# KiCad board SparkFun_IoT_RedBoard-RP2350_panelized.kicad_pcb (continued)
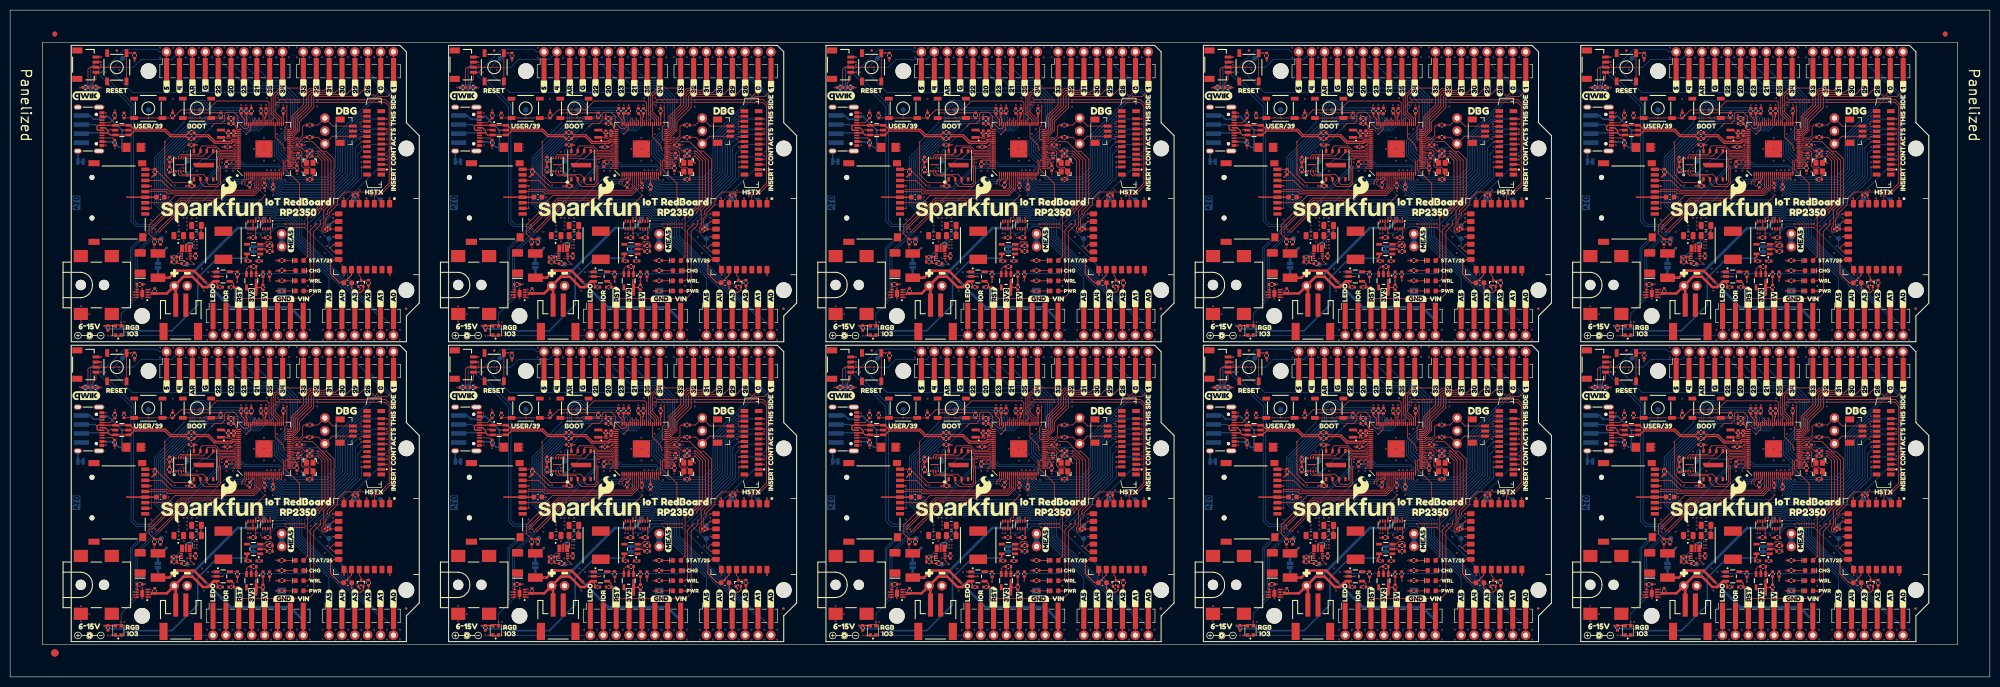
[diagram p0: board, top side]
## Routing (per net, layer and track width the routed paths; a pad name or vN(x,y) marks a point on that pad's centre or on a via; arc(x,y) is an arc through that point) (continued)
Net-(JP6-B): length 11.7
  Top w0.15: R32#6.1 v1(201.14,16.96) ; R32.1 v1(52.42,16.96) ; R32#8.1 v1(349.86,76.08) ; R32#4.1 v1(52.42,76.08) ; R32#3.1 v1(126.78,76.08) ; R32#7.1 v1(349.86,16.96) ; R32#9.1 v1(275.5,16.96) ; R32#10.1 v1(275.5,76.08) ; R32#2.1 v1(201.14,76.08) ; R32#5.1 v1(126.78,16.96)
  Bottom w0.15: v1(201.14,76.08) JP6#7.2 ; v1(201.14,16.96) JP6#9.2 ; v1(126.78,16.96) JP6#4.2 ; v1(275.5,76.08) JP6#8.2 ; v1(52.42,76.08) JP6#2.2 ; v1(275.5,16.96) JP6#6.2 ; v1(52.42,16.96) JP6.2 ; v1(126.78,76.08) JP6#3.2 ; v1(349.86,76.08) JP6#10.2 ; v1(349.86,16.96) JP6#5.2
Net-(U1-ADC_AVDD): length 31.8
  Top w0.2: U1#9.59 344.06,110.18 343.96,110.28 C3#10.2 344.93,111.1 R7#8.1 ; U1#5.59 120.98,110.18 120.88,110.28 C3#5.2 121.85,111.1 R7#2.1 ; U1#8.59 269.7,51.06 269.6,51.16 C3#9.2 270.57,51.98 R7#7.1 ; R7#10.1 344.93,51.98 C3#8.2 343.96,51.16 344.06,51.06 U1#10.59 ; R7#6.1 121.85,51.98 C3#3.2 120.88,51.16 120.98,51.06 U1#4.59 ; R7#3.1 196.21,51.98 C3#2.2 195.24,51.16 195.34,51.06 U1#7.59 ; R7#5.1 196.21,111.1 C3#7.2 195.24,110.28 195.34,110.18 U1#3.59 ; U1.59 46.62,51.06 46.52,51.16 C3.2 47.49,51.98 R7.1 ; R7#4.1 47.49,111.1 C3#4.2 46.52,110.28 46.62,110.18 U1#6.59 ; U1#2.59 269.7,110.18 269.6,110.28 C3#6.2 270.57,111.1 R7#9.1
Net-(U1-SWCLK): length 41.3
  Top w0.15: U1#7.33 204.54,45.96 204.94,46.36 205.74,46.36 206.64,47.26 R11#9.2 ; U1#6.33 55.82,105.08 56.22,105.48 57.02,105.48 57.92,106.38 R11#4.2 ; U1#10.33 353.26,45.96 353.66,46.36 354.46,46.36 355.36,47.26 R11#7.2 ; U1#5.33 130.18,105.08 130.58,105.48 131.38,105.48 132.28,106.38 R11#3.2 ; U1#9.33 353.26,105.08 353.66,105.48 354.46,105.48 355.36,106.38 R11#8.2 ; R11#2.2 132.28,47.26 131.38,46.36 130.58,46.36 130.18,45.96 U1#4.33 ; R11#5.2 206.64,106.38 205.74,105.48 204.94,105.48 204.54,105.08 U1#3.33 ; R11#6.2 281,106.38 280.1,105.48 279.3,105.48 278.9,105.08 U1#2.33 ; U1.33 55.82,45.96 56.22,46.36 57.02,46.36 57.92,47.26 R11.2 ; U1#8.33 278.9,45.96 279.3,46.36 280.1,46.36 281,47.26 R11#10.2
Net-(U1-SWDIO): length 60.1
  Top w0.15: R12#2.2 132.28,108.78 131.98,108.48 131.98,106.68 131.18,105.88 130.38,105.88 129.98,105.48 U1#5.34 ; U1.34 55.62,46.36 56.02,46.76 56.82,46.76 57.62,47.56 57.62,49.36 57.92,49.66 R12.2 ; U1#3.34 204.34,105.48 204.74,105.88 205.54,105.88 206.34,106.68 206.34,108.48 206.64,108.78 R12#4.2 ; R12#9.2 57.92,108.78 57.62,108.48 57.62,106.68 56.82,105.88 56.02,105.88 55.62,105.48 U1#6.34 ; R12#6.2 355.36,49.66 355.06,49.36 355.06,47.56 354.26,46.76 353.46,46.76 353.06,46.36 U1#10.34 ; R12#10.2 206.64,49.66 206.34,49.36 206.34,47.56 205.54,46.76 204.74,46.76 204.34,46.36 U1#7.34 ; R12#7.2 132.28,49.66 131.98,49.36 131.98,47.56 131.18,46.76 130.38,46.76 129.98,46.36 U1#4.34 ; R12#5.2 281,108.78 280.7,108.48 280.7,106.68 279.9,105.88 279.1,105.88 278.7,105.48 U1#2.34 ; R12#3.2 281,49.66 280.7,49.36 280.7,47.56 279.9,46.76 279.1,46.76 278.7,46.36 U1#8.34 ; R12#8.2 355.36,108.78 355.06,108.48 355.06,106.68 354.26,105.88 353.46,105.88 353.06,105.48 U1#9.34
Net-(U1-VREG_AVDD): length 28.6
  Top w0.2: R8#9.1 341.47,49.99 C5#6.2 341.96,49.44 341.96,49.06 342.26,48.76 U1#10.61 ; R8#8.1 267.11,49.99 C5#5.2 267.6,49.44 267.6,49.06 267.9,48.76 U1#8.61 ; R8#4.1 267.11,109.11 C5#10.2 267.6,108.56 267.6,108.18 267.9,107.88 U1#2.61 ; R8#3.1 118.39,109.11 C5#3.2 118.88,108.56 118.88,108.18 119.18,107.88 U1#5.61 ; R8#7.1 192.75,109.11 C5#9.2 193.24,108.56 193.24,108.18 193.54,107.88 U1#3.61 ; U1#6.61 44.82,107.88 44.52,108.18 44.52,108.56 C5#2.2 44.03,109.11 R8#6.1 ; U1#9.61 342.26,107.88 341.96,108.18 341.96,108.56 C5#8.2 341.47,109.11 R8#10.1 ; R8.1 44.03,49.99 C5.2 44.52,49.44 44.52,49.06 44.82,48.76 U1.61 ; R8#2.1 192.75,49.99 C5#7.2 193.24,49.44 193.24,49.06 193.54,48.76 U1#7.61 ; U1#4.61 119.18,48.76 118.88,49.06 118.88,49.44 C5#4.2 118.39,49.99 R8#5.1
Net-(U1-VREG_LX): length 39
  Top w0.15: U1#8.63 267.6,47.96 267.5,48.06 265.7,48.06 265.07,48.68 L1#7.2 ; L1#8.2 339.44,107.8 340.06,107.18 341.86,107.18 341.96,107.08 U1#9.63 ; U1#7.63 193.24,47.96 193.14,48.06 191.34,48.06 190.71,48.68 L1#3.2 ; U1#6.63 44.52,107.08 44.42,107.18 42.62,107.18 41.99,107.8 L1#4.2 ; L1#9.2 190.71,107.8 191.34,107.18 193.14,107.18 193.24,107.08 U1#3.63 ; U1#2.63 267.6,107.08 267.5,107.18 265.7,107.18 265.07,107.8 L1#10.2 ; U1#5.63 118.88,107.08 118.78,107.18 116.98,107.18 116.36,107.8 L1#5.2 ; U1#4.63 118.88,47.96 118.78,48.06 116.98,48.06 116.36,48.68 L1#2.2 ; U1#10.63 341.96,47.96 341.86,48.06 340.06,48.06 339.44,48.68 L1#6.2 ; U1.63 44.52,47.96 44.42,48.06 42.62,48.06 41.99,48.68 L1.2
Net-(U1-XIN): length 98.5
  Top w0.15: U1#8.30 280.2,44.76 280.55,44.41 280.55,41.61 280.8,41.36 282.02,41.36 282.75,40.63 Y1#7.1 282.75,39.81 282.58,39.64 C7#4.1 ; U1#7.30 205.84,44.76 206.19,44.41 206.19,41.61 206.44,41.36 207.66,41.36 208.39,40.63 Y1#5.1 208.39,39.81 208.22,39.64 C7.1 ; U1#9.30 354.56,103.88 354.91,103.53 354.91,100.73 355.16,100.48 356.38,100.48 357.11,99.75 Y1#9.1 357.11,98.93 356.94,98.76 C7#9.1 ; C7#8.1 282.58,98.76 282.75,98.93 Y1#2.1 282.75,99.75 282.02,100.48 280.8,100.48 280.55,100.73 280.55,103.53 280.2,103.88 U1#2.30 ; U1#10.30 354.56,44.76 354.91,44.41 354.91,41.61 355.16,41.36 356.38,41.36 357.11,40.63 Y1#10.1 357.11,39.81 356.94,39.64 C7#7.1 ; U1.30 57.12,44.76 57.47,44.41 57.47,41.61 57.72,41.36 58.95,41.36 59.67,40.63 Y1.1 59.67,39.81 59.5,39.64 C7#10.1 ; U1#6.30 57.12,103.88 57.47,103.53 57.47,100.73 57.72,100.48 58.95,100.48 59.67,99.75 Y1#8.1 59.67,98.93 59.5,98.76 C7#2.1 ; C7#3.1 133.86,98.76 134.03,98.93 Y1#4.1 134.03,99.75 133.31,100.48 132.08,100.48 131.83,100.73 131.83,103.53 131.48,103.88 U1#5.30 ; C7#6.1 208.22,98.76 208.39,98.93 Y1#6.1 208.39,99.75 207.66,100.48 206.44,100.48 206.19,100.73 206.19,103.53 205.84,103.88 U1#3.30 ; U1#4.30 131.48,44.76 131.83,44.41 131.83,41.61 132.08,41.36 133.31,41.36 134.03,40.63 Y1#3.1 134.03,39.81 133.86,39.64 C7#5.1
Net-(U1-XOUT): length 38.4
  Top w0.15: R10#3.2 132.38,44.56 131.78,45.16 U1#4.31 ; U1#9.31 354.86,104.28 355.46,103.68 R10#4.2 ; R10#2.2 132.38,103.68 131.78,104.28 U1#5.31 ; U1#7.31 206.14,45.16 206.74,44.56 R10#5.2 ; U1#3.31 206.14,104.28 206.74,103.68 R10#9.2 ; U1#10.31 354.86,45.16 355.46,44.56 R10#10.2 ; U1#6.31 57.42,104.28 58.02,103.68 R10#6.2 ; R10#8.2 281.1,103.68 280.5,104.28 U1#2.31 ; U1.31 57.42,45.16 58.02,44.56 R10.2 ; U1#8.31 280.5,45.16 281.1,44.56 R10#7.2
Net-(U2-IRQ): length 16.9
  Top w0.15: U2#4.B3 R14#9.1 ; U2#5.B3 R14#5.1 ; U2#7.B3 R14#2.1 ; U2#3.B3 R14#7.1 ; U2#9.B3 R14#8.1 ; U2.B3 R14#10.1 ; U2#6.B3 R14.1 ; U2#2.B3 R14#3.1 ; U2#10.B3 R14#6.1 ; U2#8.B3 R14#4.1
Net-(U2-POCI): length 18
  Top w0.15: U2.A6 67.27,35.11 67.51,35.35 R13.1 ; U2#7.A6 141.63,94.23 141.87,94.47 R13#6.1 ; U2#10.A6 364.71,35.11 364.95,35.35 R13#9.1 ; R13#5.1 67.51,94.47 67.27,94.23 U2#6.A6 ; R13#3.1 290.59,35.35 290.35,35.11 U2#9.A6 ; U2#3.A6 215.99,35.11 216.23,35.35 R13#8.1 ; R13#7.1 290.59,94.47 290.35,94.23 U2#4.A6 ; U2#8.A6 215.99,94.23 216.23,94.47 R13#4.1 ; U2#5.A6 364.71,94.23 364.95,94.47 R13#2.1 ; R13#10.1 141.87,35.35 141.63,35.11 U2#2.A6
Net-(U2-VDDBAT): length 106.6
  Top w0.2: U2#3.B7 212.54,23.16 211.84,22.46 211.84,20.36 213.64,18.56 L2#8.2 215.99,20.08 U2#3.C2 216.04,21.11 ; U2#8.B7 212.54,82.28 211.84,81.58 211.84,79.48 213.64,77.68 L2#5.2 215.99,79.2 U2#8.C2 216.04,80.23 ; U2.B7 63.82,23.16 63.12,22.46 63.12,20.36 64.92,18.56 L2.2 67.27,20.08 U2.C2 67.32,21.11 ; 364.76,21.11 U2#10.C2 364.71,20.08 L2#3.2 362.36,18.56 360.56,20.36 360.56,22.46 361.26,23.16 U2#10.B7 ; U2#9.B7 286.9,23.16 286.2,22.46 286.2,20.36 288,18.56 L2#2.2 290.35,20.08 U2#9.C2 290.4,21.11 ; 290.4,80.23 U2#4.C2 290.35,79.2 L2#9.2 288,77.68 286.2,79.48 286.2,81.58 286.9,82.28 U2#4.B7 ; U2#7.B7 138.18,82.28 137.48,81.58 137.48,79.48 139.28,77.68 L2#6.2 141.63,79.2 U2#7.C2 141.68,80.23 ; 67.32,80.23 U2#6.C2 67.27,79.2 L2#7.2 64.92,77.68 63.12,79.48 63.12,81.58 63.82,82.28 U2#6.B7 ; 364.76,80.23 U2#5.C2 364.71,79.2 L2#10.2 362.36,77.68 360.56,79.48 360.56,81.58 361.26,82.28 U2#5.B7 ; 141.68,21.11 U2#2.C2 141.63,20.08 L2#4.2 139.28,18.56 137.48,20.36 137.48,22.46 138.18,23.16 U2#2.B7
Net-(U5-BST): length 12.4
  Top w0.15: C22#10.1 333.5,23.83 332.91,23.83 ; C22#5.1 36.07,82.95 U5#3.6 ; C22#7.1 184.78,23.83 184.19,23.83 ; C22#4.1 110.42,23.83 109.83,23.83 ; C22#3.1 259.14,23.83 258.55,23.83 ; 35.47,23.83 36.07,23.83 C22.1 ; C22#6.1 184.78,82.95 U5#7.6 ; C22#9.1 333.5,82.95 U5#6.6 ; C22#8.1 259.14,82.95 U5#10.6 ; U5#8.6 110.42,82.95 C22#2.1
Net-(U5-FB): length 31.6
  Top w0.15: 33.77,23.83 33.39,23.83 33.22,23.66 C23.2 32.83,23.63 R19.1 33.13,22.36 R20#10.2 ; 331.21,23.83 330.83,23.83 330.66,23.66 C23#2.2 330.27,23.63 R19#9.1 330.57,22.36 R20#7.2 ; R20#6.2 107.49,81.48 R19#5.1 107.19,82.75 C23#8.2 107.58,82.78 107.76,82.95 U5#8.3 ; R20#8.2 256.21,81.48 R19#6.1 255.91,82.75 C23#5.2 256.3,82.78 256.47,82.95 U5#10.3 ; R20#4.2 256.21,22.36 R19#8.1 255.91,23.63 C23#3.2 256.3,23.66 256.47,23.83 256.85,23.83 ; U5#6.3 330.83,82.95 330.66,82.78 C23#4.2 330.27,82.75 R19#10.1 330.57,81.48 R20#3.2 ; U5#3.3 33.39,82.95 33.22,82.78 C23#9.2 32.83,82.75 R19#4.1 33.13,81.48 R20.2 ; R20#5.2 181.85,81.48 R19#7.1 181.55,82.75 C23#6.2 181.94,82.78 182.12,82.95 U5#7.3 ; R20#2.2 107.49,22.36 R19#3.1 107.19,23.63 C23#10.2 107.58,23.66 107.76,23.83 108.13,23.83 ; 182.49,23.83 182.12,23.83 181.94,23.66 C23#7.2 181.55,23.63 R19#2.1 181.85,22.36 R20#9.2
Net-(U5-PG): length 28.9
  Top w0.15: U5#3.5 35.47,82.11 v1(36.26,81.32) ; v1(333.7,81.32) 332.91,82.11 U5#6.5 ; v1(333.7,22.2) 332.91,22.99 U5#5.5 ; U5#7.5 184.19,82.11 v1(184.98,81.32) ; v1(110.62,22.2) 109.83,22.99 U5#2.5 ; v1(110.62,81.32) 109.83,82.11 U5#8.5 ; v1(259.34,81.32) 258.55,82.11 U5#10.5 ; U5.5 35.47,22.99 v1(36.26,22.2) ; v1(184.98,22.2) 184.19,22.99 U5#4.5 ; v1(259.34,22.2) 258.55,22.99 U5#9.5
  Bottom w0.15: v1(333.7,22.2) TP8#9.1 ; v1(184.98,81.32) TP8#8.1 ; v1(259.34,22.2) TP8#6.1 ; v1(184.98,22.2) TP8#5.1 ; v1(36.26,81.32) TP8#3.1 ; v1(110.62,22.2) TP8#4.1 ; v1(110.62,81.32) TP8#7.1 ; v1(259.34,81.32) TP8#2.1 ; v1(333.7,81.32) TP8#10.1 ; v1(36.26,22.2) TP8.1
Net-(U9-PROG): length 15
  Top w0.15: U9#5.5 119.12,20.76 R27#3.2 ; U9.5 44.76,20.76 R27.2 ; U9#6.5 119.12,79.88 R27#7.2 ; U9#8.5 267.84,79.88 R27#2.2 ; R27#10.2 342.2,20.76 U9#2.5 ; R27#5.2 193.48,79.88 U9#4.5 ; U9#7.5 193.48,20.76 R27#4.2 ; R27#9.2 342.2,79.88 U9#10.5 ; R27#8.2 267.84,20.76 U9#9.5 ; R27#6.2 44.76,79.88 U9#3.5
Net-(U11-EN): length 21.3
  Top w0.15: R26#4.2 47.02,80.88 46.57,80.43 U11#6.3 ; U11#9.3 269.65,80.43 270.1,80.88 R26#9.2 ; U11#10.3 344.01,21.31 344.46,21.76 R26#5.2 ; R26.2 47.02,21.76 46.57,21.31 U11.3 ; R26#3.2 270.1,21.76 269.65,21.31 U11#3.3 ; U11#7.3 120.93,21.31 121.38,21.76 R26#2.2 ; U11#4.3 344.01,80.43 344.46,80.88 R26#10.2 ; U11#5.3 120.93,80.43 121.38,80.88 R26#6.2 ; U11#2.3 195.29,80.43 195.74,80.88 R26#8.2 ; U11#8.3 195.29,21.31 195.74,21.76 R26#7.2

## Copper pours and planes (outline as drawn; the poured copper is in the pictures)
1.1V on Top: 116.58,47.51 116.73,47.51 116.98,47.76 117.53,47.76 117.68,47.61 117.68,47.36 117.88,47.11 117.68,46.96 116.58,46.96
1.1V on Top: 42.22,106.63 42.37,106.63 42.62,106.88 43.17,106.88 43.32,106.73 43.32,106.48 43.52,106.23 43.32,106.08 42.22,106.08
1.1V on Top: 265.3,106.63 265.45,106.63 265.7,106.88 266.25,106.88 266.4,106.73 266.4,106.48 266.6,106.23 266.4,106.08 265.3,106.08
1.1V on Top: 190.94,106.63 191.09,106.63 191.34,106.88 191.89,106.88 192.04,106.73 192.04,106.48 192.24,106.23 192.04,106.08 190.94,106.08
1.1V on Top: 190.94,47.51 191.09,47.51 191.34,47.76 191.89,47.76 192.04,47.61 192.04,47.36 192.24,47.11 192.04,46.96 190.94,46.96
1.1V on Top: 116.58,106.63 116.73,106.63 116.98,106.88 117.53,106.88 117.68,106.73 117.68,106.48 117.88,106.23 117.68,106.08 116.58,106.08
1.1V on Top: 339.66,106.63 339.81,106.63 340.06,106.88 340.61,106.88 340.76,106.73 340.76,106.48 340.96,106.23 340.76,106.08 339.66,106.08
1.1V on Top: 339.66,47.51 339.81,47.51 340.06,47.76 340.61,47.76 340.76,47.61 340.76,47.36 340.96,47.11 340.76,46.96 339.66,46.96
1.1V on Top: 265.3,47.51 265.45,47.51 265.7,47.76 266.25,47.76 266.4,47.61 266.4,47.36 266.6,47.11 266.4,46.96 265.3,46.96
1.1V on Top: 42.22,47.51 42.37,47.51 42.62,47.76 43.17,47.76 43.32,47.61 43.32,47.36 43.52,47.11 43.32,46.96 42.22,46.96
3.3V on In1.Cu: 160.75,6.95 226.79,6.95 226.79,12.03 229.33,14.57 229.33,47.59 226.79,50.13 226.79,64.1 225.52,65.37 160.75,65.37
3.3V on In1.Cu: 86.39,6.95 152.43,6.95 152.43,12.03 154.97,14.57 154.97,47.59 152.43,50.13 152.43,64.1 151.16,65.37 86.39,65.37
3.3V on In1.Cu: 12.03,66.07 78.07,66.07 78.07,71.15 80.61,73.69 80.61,106.71 78.07,109.25 78.07,123.22 76.8,124.49 12.03,124.49
3.3V on In1.Cu: 309.47,6.95 375.51,6.95 375.51,12.03 378.05,14.57 378.05,47.59 375.51,50.13 375.51,64.1 374.24,65.37 309.47,65.37
3.3V on In1.Cu: 160.75,66.07 226.79,66.07 226.79,71.15 229.33,73.69 229.33,106.71 226.79,109.25 226.79,123.22 225.52,124.49 160.75,124.49
3.3V on In1.Cu: 12.03,6.95 78.07,6.95 78.07,12.03 80.61,14.57 80.61,47.59 78.07,50.13 78.07,64.1 76.8,65.37 12.03,65.37
3.3V on In1.Cu: 235.11,66.07 301.15,66.07 301.15,71.15 303.69,73.69 303.69,106.71 301.15,109.25 301.15,123.22 299.88,124.49 235.11,124.49
3.3V on In1.Cu: 309.47,66.07 375.51,66.07 375.51,71.15 378.05,73.69 378.05,106.71 375.51,109.25 375.51,123.22 374.24,124.49 309.47,124.49
3.3V on In1.Cu: 86.39,66.07 152.43,66.07 152.43,71.15 154.97,73.69 154.97,106.71 152.43,109.25 152.43,123.22 151.16,124.49 86.39,124.49
3.3V on In1.Cu: 235.11,6.95 301.15,6.95 301.15,12.03 303.69,14.57 303.69,47.59 301.15,50.13 301.15,64.1 299.88,65.37 235.11,65.37
5V on Top: 345.16,29.21 345.16,30.71 345.46,30.71 345.46,30.36 345.61,30.21 347.61,30.21 347.86,29.96 347.86,29.21 347.56,29.21 347.56,29.51 347.36,29.71 345.66,29.71 345.46,29.51 345.46,29.21
5V on Top: 270.8,29.21 270.8,30.71 271.1,30.71 271.1,30.36 271.25,30.21 273.25,30.21 273.5,29.96 273.5,29.21 273.2,29.21 273.2,29.51 273,29.71 271.3,29.71 271.1,29.51 271.1,29.21
5V on Top: 122.08,88.33 122.08,89.83 122.38,89.83 122.38,89.48 122.53,89.33 124.53,89.33 124.78,89.08 124.78,88.33 124.48,88.33 124.48,88.63 124.28,88.83 122.58,88.83 122.38,88.63 122.38,88.33
5V on Top: 345.16,88.33 345.16,89.83 345.46,89.83 345.46,89.48 345.61,89.33 347.61,89.33 347.86,89.08 347.86,88.33 347.56,88.33 347.56,88.63 347.36,88.83 345.66,88.83 345.46,88.63 345.46,88.33
5V on Top: 47.72,88.33 47.72,89.83 48.02,89.83 48.02,89.48 48.17,89.33 50.17,89.33 50.42,89.08 50.42,88.33 50.12,88.33 50.12,88.63 49.92,88.83 48.22,88.83 48.02,88.63 48.02,88.33
5V on Top: 122.08,29.21 122.08,30.71 122.38,30.71 122.38,30.36 122.53,30.21 124.53,30.21 124.78,29.96 124.78,29.21 124.48,29.21 124.48,29.51 124.28,29.71 122.58,29.71 122.38,29.51 122.38,29.21
5V on Top: 270.8,88.33 270.8,89.83 271.1,89.83 271.1,89.48 271.25,89.33 273.25,89.33 273.5,89.08 273.5,88.33 273.2,88.33 273.2,88.63 273,88.83 271.3,88.83 271.1,88.63 271.1,88.33
5V on Top: 47.72,29.21 47.72,30.71 48.02,30.71 48.02,30.36 48.17,30.21 50.17,30.21 50.42,29.96 50.42,29.21 50.12,29.21 50.12,29.51 49.92,29.71 48.22,29.71 48.02,29.51 48.02,29.21
5V on Top: 196.44,29.21 196.44,30.71 196.74,30.71 196.74,30.36 196.89,30.21 198.89,30.21 199.14,29.96 199.14,29.21 198.84,29.21 198.84,29.51 198.64,29.71 196.94,29.71 196.74,29.51 196.74,29.21
5V on Top: 196.44,88.33 196.44,89.83 196.74,89.83 196.74,89.48 196.89,89.33 198.89,89.33 199.14,89.08 199.14,88.33 198.84,88.33 198.84,88.63 198.64,88.83 196.94,88.83 196.74,88.63 196.74,88.33
GND on Top, Bottom, In2.Cu: 309.47,6.95 375.51,6.95 375.51,12.03 378.05,14.57 378.05,47.59 375.51,50.13 375.51,64.1 374.24,65.37 309.47,65.37
GND on Top, Bottom, In2.Cu: 235.11,6.95 301.15,6.95 301.15,12.03 303.69,14.57 303.69,47.59 301.15,50.13 301.15,64.1 299.88,65.37 235.11,65.37
GND on Top, Bottom, In2.Cu: 12.03,6.95 78.07,6.95 78.07,12.03 80.61,14.57 80.61,47.59 78.07,50.13 78.07,64.1 76.8,65.37 12.03,65.37
GND on Top, Bottom, In2.Cu: 86.39,66.07 152.43,66.07 152.43,71.15 154.97,73.69 154.97,106.71 152.43,109.25 152.43,123.22 151.16,124.49 86.39,124.49
GND on Top, Bottom, In2.Cu: 160.75,66.07 226.79,66.07 226.79,71.15 229.33,73.69 229.33,106.71 226.79,109.25 226.79,123.22 225.52,124.49 160.75,124.49
GND on Top, Bottom, In2.Cu: 86.39,6.95 152.43,6.95 152.43,12.03 154.97,14.57 154.97,47.59 152.43,50.13 152.43,64.1 151.16,65.37 86.39,65.37
GND on Top, Bottom, In2.Cu: 12.03,66.07 78.07,66.07 78.07,71.15 80.61,73.69 80.61,106.71 78.07,109.25 78.07,123.22 76.8,124.49 12.03,124.49
GND on Top, Bottom, In2.Cu: 235.11,66.07 301.15,66.07 301.15,71.15 303.69,73.69 303.69,106.71 301.15,109.25 301.15,123.22 299.88,124.49 235.11,124.49
GND on Top, Bottom, In2.Cu: 309.47,66.07 375.51,66.07 375.51,71.15 378.05,73.69 378.05,106.71 375.51,109.25 375.51,123.22 374.24,124.49 309.47,124.49
GND on Top, Bottom, In2.Cu: 160.75,6.95 226.79,6.95 226.79,12.03 229.33,14.57 229.33,47.59 226.79,50.13 226.79,64.1 225.52,65.37 160.75,65.37
VBUS on Top: 51.22,79.58 49.57,79.58 48.77,78.78 48.17,78.78 48.17,80.13 48.22,80.18 48.22,81.03 48.37,81.18 48.72,81.18 49.27,81.73 49.27,82.48 48.67,83.08 48.67,83.63 49.87,83.63 50.12,83.38 52.07,83.38 52.42,83.73 52.42,84.88 52.67,85.13 53.22,85.13 53.82,84.53 53.82,83.93 51.42,81.53 51.42,79.78
VBUS on Top: 274.3,79.58 272.65,79.58 271.85,78.78 271.25,78.78 271.25,80.13 271.3,80.18 271.3,81.03 271.45,81.18 271.8,81.18 272.35,81.73 272.35,82.48 271.75,83.08 271.75,83.63 272.95,83.63 273.2,83.38 275.15,83.38 275.5,83.73 275.5,84.88 275.75,85.13 276.3,85.13 276.9,84.53 276.9,83.93 274.5,81.53 274.5,79.78
VBUS on Top: 274.3,20.46 272.65,20.46 271.85,19.66 271.25,19.66 271.25,21.01 271.3,21.06 271.3,21.91 271.45,22.06 271.8,22.06 272.35,22.61 272.35,23.36 271.75,23.96 271.75,24.51 272.95,24.51 273.2,24.26 275.15,24.26 275.5,24.61 275.5,25.76 275.75,26.01 276.3,26.01 276.9,25.41 276.9,24.81 274.5,22.41 274.5,20.66
VBUS on Top: 125.58,79.58 123.93,79.58 123.13,78.78 122.53,78.78 122.53,80.13 122.58,80.18 122.58,81.03 122.73,81.18 123.08,81.18 123.63,81.73 123.63,82.48 123.03,83.08 123.03,83.63 124.23,83.63 124.48,83.38 126.43,83.38 126.78,83.73 126.78,84.88 127.03,85.13 127.58,85.13 128.18,84.53 128.18,83.93 125.78,81.53 125.78,79.78
VBUS on Top: 348.66,20.46 347.01,20.46 346.21,19.66 345.61,19.66 345.61,21.01 345.66,21.06 345.66,21.91 345.81,22.06 346.16,22.06 346.71,22.61 346.71,23.36 346.11,23.96 346.11,24.51 347.31,24.51 347.56,24.26 349.51,24.26 349.86,24.61 349.86,25.76 350.11,26.01 350.66,26.01 351.26,25.41 351.26,24.81 348.86,22.41 348.86,20.66
VBUS on Top: 348.66,79.58 347.01,79.58 346.21,78.78 345.61,78.78 345.61,80.13 345.66,80.18 345.66,81.03 345.81,81.18 346.16,81.18 346.71,81.73 346.71,82.48 346.11,83.08 346.11,83.63 347.31,83.63 347.56,83.38 349.51,83.38 349.86,83.73 349.86,84.88 350.11,85.13 350.66,85.13 351.26,84.53 351.26,83.93 348.86,81.53 348.86,79.78
VBUS on Top: 51.22,20.46 49.57,20.46 48.77,19.66 48.17,19.66 48.17,21.01 48.22,21.06 48.22,21.91 48.37,22.06 48.72,22.06 49.27,22.61 49.27,23.36 48.67,23.96 48.67,24.51 49.87,24.51 50.12,24.26 52.07,24.26 52.42,24.61 52.42,25.76 52.67,26.01 53.22,26.01 53.82,25.41 53.82,24.81 51.42,22.41 51.42,20.66
VBUS on Top: 125.58,20.46 123.93,20.46 123.13,19.66 122.53,19.66 122.53,21.01 122.58,21.06 122.58,21.91 122.73,22.06 123.08,22.06 123.63,22.61 123.63,23.36 123.03,23.96 123.03,24.51 124.23,24.51 124.48,24.26 126.43,24.26 126.78,24.61 126.78,25.76 127.03,26.01 127.58,26.01 128.18,25.41 128.18,24.81 125.78,22.41 125.78,20.66
VBUS on Top: 199.94,79.58 198.29,79.58 197.49,78.78 196.89,78.78 196.89,80.13 196.94,80.18 196.94,81.03 197.09,81.18 197.44,81.18 197.99,81.73 197.99,82.48 197.39,83.08 197.39,83.63 198.59,83.63 198.84,83.38 200.79,83.38 201.14,83.73 201.14,84.88 201.39,85.13 201.94,85.13 202.54,84.53 202.54,83.93 200.14,81.53 200.14,79.78
VBUS on Top: 199.94,20.46 198.29,20.46 197.49,19.66 196.89,19.66 196.89,21.01 196.94,21.06 196.94,21.91 197.09,22.06 197.44,22.06 197.99,22.61 197.99,23.36 197.39,23.96 197.39,24.51 198.59,24.51 198.84,24.26 200.79,24.26 201.14,24.61 201.14,25.76 201.39,26.01 201.94,26.01 202.54,25.41 202.54,24.81 200.14,22.41 200.14,20.66
VDD on Top: 37.17,30.36 37.42,30.61 43.52,30.61 44.52,31.61 47.52,31.61 47.62,31.51 47.62,31.21 47.52,31.11 47.52,30.46 47.22,30.46 47.22,30.96 47.07,31.11 46.37,31.11 44.67,29.35 44.67,28.71 43.77,27.81 38.72,27.81 38.02,27.11 37.32,27.11 37.17,27.26
VDD on Top: 37.17,89.48 37.42,89.73 43.52,89.73 44.52,90.73 47.52,90.73 47.62,90.63 47.62,90.33 47.52,90.23 47.52,89.58 47.22,89.58 47.22,90.08 47.07,90.23 46.37,90.23 44.67,88.47 44.67,87.83 43.77,86.93 38.72,86.93 38.02,86.23 37.32,86.23 37.17,86.38
VDD on Top: 185.89,89.48 186.14,89.73 192.24,89.73 193.24,90.73 196.24,90.73 196.34,90.63 196.34,90.33 196.24,90.23 196.24,89.58 195.94,89.58 195.94,90.08 195.79,90.23 195.09,90.23 193.39,88.47 193.39,87.83 192.49,86.93 187.44,86.93 186.74,86.23 186.04,86.23 185.89,86.38
VDD on Top: 185.89,30.36 186.14,30.61 192.24,30.61 193.24,31.61 196.24,31.61 196.34,31.51 196.34,31.21 196.24,31.11 196.24,30.46 195.94,30.46 195.94,30.96 195.79,31.11 195.09,31.11 193.39,29.35 193.39,28.71 192.49,27.81 187.44,27.81 186.74,27.11 186.04,27.11 185.89,27.26
VDD on Top: 260.25,89.48 260.5,89.73 266.6,89.73 267.6,90.73 270.6,90.73 270.7,90.63 270.7,90.33 270.6,90.23 270.6,89.58 270.3,89.58 270.3,90.08 270.15,90.23 269.45,90.23 267.75,88.47 267.75,87.83 266.85,86.93 261.8,86.93 261.1,86.23 260.4,86.23 260.25,86.38
VDD on Top: 334.61,89.48 334.86,89.73 340.96,89.73 341.96,90.73 344.96,90.73 345.06,90.63 345.06,90.33 344.96,90.23 344.96,89.58 344.66,89.58 344.66,90.08 344.51,90.23 343.81,90.23 342.11,88.47 342.11,87.83 341.21,86.93 336.16,86.93 335.46,86.23 334.76,86.23 334.61,86.38
VDD on Top: 111.53,30.36 111.78,30.61 117.88,30.61 118.88,31.61 121.88,31.61 121.98,31.51 121.98,31.21 121.88,31.11 121.88,30.46 121.58,30.46 121.58,30.96 121.43,31.11 120.73,31.11 119.03,29.35 119.03,28.71 118.13,27.81 113.08,27.81 112.38,27.11 111.68,27.11 111.53,27.26
VDD on Top: 260.25,30.36 260.5,30.61 266.6,30.61 267.6,31.61 270.6,31.61 270.7,31.51 270.7,31.21 270.6,31.11 270.6,30.46 270.3,30.46 270.3,30.96 270.15,31.11 269.45,31.11 267.75,29.35 267.75,28.71 266.85,27.81 261.8,27.81 261.1,27.11 260.4,27.11 260.25,27.26
VDD on Top: 111.53,89.48 111.78,89.73 117.88,89.73 118.88,90.73 121.88,90.73 121.98,90.63 121.98,90.33 121.88,90.23 121.88,89.58 121.58,89.58 121.58,90.08 121.43,90.23 120.73,90.23 119.03,88.47 119.03,87.83 118.13,86.93 113.08,86.93 112.38,86.23 111.68,86.23 111.53,86.38
VDD on Top: 334.61,30.36 334.86,30.61 340.96,30.61 341.96,31.61 344.96,31.61 345.06,31.51 345.06,31.21 344.96,31.11 344.96,30.46 344.66,30.46 344.66,30.96 344.51,31.11 343.81,31.11 342.11,29.35 342.11,28.71 341.21,27.81 336.16,27.81 335.46,27.11 334.76,27.11 334.61,27.26
VIN on Top: 250.75,20.41 252.35,20.41 252.35,18.76 250.75,18.76 249.8,19.71 248.6,19.71 248.6,21.21 249.95,21.21
VIN on Top: 250.75,79.53 252.35,79.53 252.35,77.88 250.75,77.88 249.8,78.83 248.6,78.83 248.6,80.33 249.95,80.33
VIN on Top: 176.39,79.53 177.99,79.53 177.99,77.88 176.39,77.88 175.44,78.83 174.24,78.83 174.24,80.33 175.59,80.33
VIN on Top: 325.11,79.53 326.71,79.53 326.71,77.88 325.11,77.88 324.16,78.83 322.96,78.83 322.96,80.33 324.31,80.33
VIN on Top: 176.39,20.41 177.99,20.41 177.99,18.76 176.39,18.76 175.44,19.71 174.24,19.71 174.24,21.21 175.59,21.21
VIN on Top: 27.67,20.41 29.27,20.41 29.27,18.76 27.67,18.76 26.72,19.71 25.52,19.71 25.52,21.21 26.87,21.21
VIN on Top: 102.03,79.53 103.63,79.53 103.63,77.88 102.03,77.88 101.08,78.83 99.88,78.83 99.88,80.33 101.23,80.33
VIN on Top: 102.03,20.41 103.63,20.41 103.63,18.76 102.03,18.76 101.08,19.71 99.88,19.71 99.88,21.21 101.23,21.21
VIN on Top: 27.67,79.53 29.27,79.53 29.27,77.88 27.67,77.88 26.72,78.83 25.52,78.83 25.52,80.33 26.87,80.33
VIN on Top: 325.11,20.41 326.71,20.41 326.71,18.76 325.11,18.76 324.16,19.71 322.96,19.71 322.96,21.21 324.31,21.21
VRAW on Top: 257.35,26.11 256.6,26.11 255.85,26.86 255.85,28.31 255.65,28.51 254.95,28.51 253.15,26.46 252.5,26.46 252.35,26.31 252.35,25.76 251.8,25.21 250.75,25.21 250.75,23.51 253.65,23.51 254.3,24.16 256.5,24.16 256.55,24.11 257.15,24.11 257.35,24.31
VRAW on Top: 182.99,85.23 182.24,85.23 181.49,85.98 181.49,87.43 181.29,87.63 180.59,87.63 178.79,85.58 178.14,85.58 177.99,85.43 177.99,84.88 177.44,84.33 176.39,84.33 176.39,82.63 179.29,82.63 179.94,83.28 182.14,83.28 182.19,83.23 182.79,83.23 182.99,83.43
VRAW on Top: 331.71,26.11 330.96,26.11 330.21,26.86 330.21,28.31 330.01,28.51 329.31,28.51 327.51,26.46 326.86,26.46 326.71,26.31 326.71,25.76 326.16,25.21 325.11,25.21 325.11,23.51 328.01,23.51 328.66,24.16 330.86,24.16 330.91,24.11 331.51,24.11 331.71,24.31
VRAW on Top: 34.27,85.23 33.52,85.23 32.77,85.98 32.77,87.43 32.57,87.63 31.87,87.63 30.07,85.58 29.42,85.58 29.27,85.43 29.27,84.88 28.72,84.33 27.67,84.33 27.67,82.63 30.57,82.63 31.22,83.28 33.42,83.28 33.47,83.23 34.07,83.23 34.27,83.43
VRAW on Top: 108.63,85.23 107.88,85.23 107.13,85.98 107.13,87.43 106.93,87.63 106.23,87.63 104.43,85.58 103.78,85.58 103.63,85.43 103.63,84.88 103.08,84.33 102.03,84.33 102.03,82.63 104.93,82.63 105.58,83.28 107.78,83.28 107.83,83.23 108.43,83.23 108.63,83.43
VRAW on Top: 182.99,26.11 182.24,26.11 181.49,26.86 181.49,28.31 181.29,28.51 180.59,28.51 178.79,26.46 178.14,26.46 177.99,26.31 177.99,25.76 177.44,25.21 176.39,25.21 176.39,23.51 179.29,23.51 179.94,24.16 182.14,24.16 182.19,24.11 182.79,24.11 182.99,24.31
VRAW on Top: 108.63,26.11 107.88,26.11 107.13,26.86 107.13,28.31 106.93,28.51 106.23,28.51 104.43,26.46 103.78,26.46 103.63,26.31 103.63,25.76 103.08,25.21 102.03,25.21 102.03,23.51 104.93,23.51 105.58,24.16 107.78,24.16 107.83,24.11 108.43,24.11 108.63,24.31
VRAW on Top: 34.27,26.11 33.52,26.11 32.77,26.86 32.77,28.31 32.57,28.51 31.87,28.51 30.07,26.46 29.42,26.46 29.27,26.31 29.27,25.76 28.72,25.21 27.67,25.21 27.67,23.51 30.57,23.51 31.22,24.16 33.42,24.16 33.47,24.11 34.07,24.11 34.27,24.31
VRAW on Top: 257.35,85.23 256.6,85.23 255.85,85.98 255.85,87.43 255.65,87.63 254.95,87.63 253.15,85.58 252.5,85.58 252.35,85.43 252.35,84.88 251.8,84.33 250.75,84.33 250.75,82.63 253.65,82.63 254.3,83.28 256.5,83.28 256.55,83.23 257.15,83.23 257.35,83.43
VRAW on Top: 331.71,85.23 330.96,85.23 330.21,85.98 330.21,87.43 330.01,87.63 329.31,87.63 327.51,85.58 326.86,85.58 326.71,85.43 326.71,84.88 326.16,84.33 325.11,84.33 325.11,82.63 328.01,82.63 328.66,83.28 330.86,83.28 330.91,83.23 331.51,83.23 331.71,83.43
VUSB on Top: 248.85,46.16 249.7,46.16 249.9,45.96 249.9,44.56 249.7,44.36 248.85,44.36
VUSB on Top: 270.3,29.21 270.6,29.21 270.6,28.51 270.65,28.41 270.65,28.21 270.55,28.11 269.8,28.11 269.7,28.21 269.7,28.41 269.8,28.51 270.1,28.51 270.3,28.71
VUSB on Top: 195.94,88.33 196.24,88.33 196.24,87.63 196.29,87.53 196.29,87.33 196.19,87.23 195.44,87.23 195.34,87.33 195.34,87.53 195.44,87.63 195.74,87.63 195.94,87.83
VUSB on Top: 25.77,105.28 26.62,105.28 26.82,105.08 26.82,103.68 26.62,103.48 25.77,103.48
VUSB on Top: 270.3,88.33 270.6,88.33 270.6,87.63 270.65,87.53 270.65,87.33 270.55,87.23 269.8,87.23 269.7,87.33 269.7,87.53 269.8,87.63 270.1,87.63 270.3,87.83
VUSB on Top: 47.22,29.21 47.52,29.21 47.52,28.51 47.57,28.41 47.57,28.21 47.47,28.11 46.72,28.11 46.62,28.21 46.62,28.41 46.72,28.51 47.02,28.51 47.22,28.71
VUSB on Top: 195.94,29.21 196.24,29.21 196.24,28.51 196.29,28.41 196.29,28.21 196.19,28.11 195.44,28.11 195.34,28.21 195.34,28.41 195.44,28.51 195.74,28.51 195.94,28.71
VUSB on Top: 47.22,88.33 47.52,88.33 47.52,87.63 47.57,87.53 47.57,87.33 47.47,87.23 46.72,87.23 46.62,87.33 46.62,87.53 46.72,87.63 47.02,87.63 47.22,87.83
VUSB on Top: 174.49,105.28 175.34,105.28 175.54,105.08 175.54,103.68 175.34,103.48 174.49,103.48
VUSB on Top: 100.13,46.16 100.98,46.16 101.18,45.96 101.18,44.56 100.98,44.36 100.13,44.36
VUSB on Top: 121.58,88.33 121.88,88.33 121.88,87.63 121.93,87.53 121.93,87.33 121.83,87.23 121.08,87.23 120.98,87.33 120.98,87.53 121.08,87.63 121.38,87.63 121.58,87.83
VUSB on Top: 121.58,29.21 121.88,29.21 121.88,28.51 121.93,28.41 121.93,28.21 121.83,28.11 121.08,28.11 120.98,28.21 120.98,28.41 121.08,28.51 121.38,28.51 121.58,28.71
VUSB on Top: 344.66,88.33 344.96,88.33 344.96,87.63 345.01,87.53 345.01,87.33 344.91,87.23 344.16,87.23 344.06,87.33 344.06,87.53 344.16,87.63 344.46,87.63 344.66,87.83
VUSB on Top: 100.13,105.28 100.98,105.28 101.18,105.08 101.18,103.68 100.98,103.48 100.13,103.48
VUSB on Top: 174.49,46.16 175.34,46.16 175.54,45.96 175.54,44.56 175.34,44.36 174.49,44.36
VUSB on Top: 248.85,105.28 249.7,105.28 249.9,105.08 249.9,103.68 249.7,103.48 248.85,103.48
VUSB on Top: 323.21,46.16 324.06,46.16 324.26,45.96 324.26,44.56 324.06,44.36 323.21,44.36
VUSB on Top: 344.66,29.21 344.96,29.21 344.96,28.51 345.01,28.41 345.01,28.21 344.91,28.11 344.16,28.11 344.06,28.21 344.06,28.41 344.16,28.51 344.46,28.51 344.66,28.71
VUSB on Top: 25.77,46.16 26.62,46.16 26.82,45.96 26.82,44.56 26.62,44.36 25.77,44.36
VUSB on Top: 323.21,105.28 324.06,105.28 324.26,105.08 324.26,103.68 324.06,103.48 323.21,103.48
Net-(D1-PadA) on Top: 25.62,82.83 25.62,84.33 21.57,84.33 21.42,84.18 12.52,84.18 12.52,81.73 23.62,81.73 24.72,82.83
Net-(D1-PadA) on Top: 25.62,23.71 25.62,25.21 21.57,25.21 21.42,25.06 12.52,25.06 12.52,22.61 23.62,22.61 24.72,23.71
Net-(D1-PadA) on Top: 323.06,23.71 323.06,25.21 319.01,25.21 318.86,25.06 309.96,25.06 309.96,22.61 321.06,22.61 322.16,23.71
Net-(D1-PadA) on Top: 248.7,82.83 248.7,84.33 244.65,84.33 244.5,84.18 235.6,84.18 235.6,81.73 246.7,81.73 247.8,82.83
Net-(D1-PadA) on Top: 99.98,23.71 99.98,25.21 95.93,25.21 95.78,25.06 86.88,25.06 86.88,22.61 97.98,22.61 99.08,23.71
Net-(D1-PadA) on Top: 248.7,23.71 248.7,25.21 244.65,25.21 244.5,25.06 235.6,25.06 235.6,22.61 246.7,22.61 247.8,23.71
Net-(D1-PadA) on Top: 323.06,82.83 323.06,84.33 319.01,84.33 318.86,84.18 309.96,84.18 309.96,81.73 321.06,81.73 322.16,82.83
Net-(D1-PadA) on Top: 174.34,82.83 174.34,84.33 170.29,84.33 170.14,84.18 161.24,84.18 161.24,81.73 172.34,81.73 173.44,82.83
Net-(D1-PadA) on Top: 99.98,82.83 99.98,84.33 95.93,84.33 95.78,84.18 86.88,84.18 86.88,81.73 97.98,81.73 99.08,82.83
Net-(D1-PadA) on Top: 174.34,23.71 174.34,25.21 170.29,25.21 170.14,25.06 161.24,25.06 161.24,22.61 172.34,22.61 173.44,23.71
Net-(D2-VCC) on Top: 320.26,46.16 319.46,46.16 319.26,45.96 319.26,44.56 319.46,44.36 320.26,44.36
Net-(D2-VCC) on Top: 245.9,46.16 245.1,46.16 244.9,45.96 244.9,44.56 245.1,44.36 245.9,44.36
Net-(D2-VCC) on Top: 22.82,105.28 22.02,105.28 21.82,105.08 21.82,103.68 22.02,103.48 22.82,103.48
Net-(D2-VCC) on Top: 97.18,105.28 96.38,105.28 96.18,105.08 96.18,103.68 96.38,103.48 97.18,103.48
Net-(D2-VCC) on Top: 245.9,105.28 245.1,105.28 244.9,105.08 244.9,103.68 245.1,103.48 245.9,103.48
Net-(D2-VCC) on Top: 320.26,105.28 319.46,105.28 319.26,105.08 319.26,103.68 319.46,103.48 320.26,103.48
Net-(D2-VCC) on Top: 171.54,105.28 170.74,105.28 170.54,105.08 170.54,103.68 170.74,103.48 171.54,103.48
Net-(D2-VCC) on Top: 22.82,46.16 22.02,46.16 21.82,45.96 21.82,44.56 22.02,44.36 22.82,44.36
Net-(D2-VCC) on Top: 97.18,46.16 96.38,46.16 96.18,45.96 96.18,44.56 96.38,44.36 97.18,44.36
Net-(D2-VCC) on Top: 171.54,46.16 170.74,46.16 170.54,45.96 170.54,44.56 170.74,44.36 171.54,44.36
Net-(JP4-A) on Top: 50.62,30.96 50.62,28.96 50.92,28.96 50.92,29.56 51.07,29.71 51.47,29.71 52.37,28.81 52.37,28.36 52.62,28.11 53.52,28.11 53.52,29.16 53.27,29.41 52.82,29.41 52.02,30.21 51.12,30.21 50.92,30.41 50.92,30.96
Net-(JP4-A) on Top: 199.34,30.96 199.34,28.96 199.64,28.96 199.64,29.56 199.79,29.71 200.19,29.71 201.09,28.81 201.09,28.36 201.34,28.11 202.24,28.11 202.24,29.16 201.99,29.41 201.54,29.41 200.74,30.21 199.84,30.21 199.64,30.41 199.64,30.96
Net-(JP4-A) on Top: 273.7,30.96 273.7,28.96 274,28.96 274,29.56 274.15,29.71 274.55,29.71 275.45,28.81 275.45,28.36 275.7,28.11 276.6,28.11 276.6,29.16 276.35,29.41 275.9,29.41 275.1,30.21 274.2,30.21 274,30.41 274,30.96
Net-(JP4-A) on Top: 199.34,90.08 199.34,88.08 199.64,88.08 199.64,88.68 199.79,88.83 200.19,88.83 201.09,87.93 201.09,87.48 201.34,87.23 202.24,87.23 202.24,88.28 201.99,88.53 201.54,88.53 200.74,89.33 199.84,89.33 199.64,89.53 199.64,90.08
Net-(JP4-A) on Top: 348.06,90.08 348.06,88.08 348.36,88.08 348.36,88.68 348.51,88.83 348.91,88.83 349.81,87.93 349.81,87.48 350.06,87.23 350.96,87.23 350.96,88.28 350.71,88.53 350.26,88.53 349.46,89.33 348.56,89.33 348.36,89.53 348.36,90.08
Net-(JP4-A) on Top: 348.06,30.96 348.06,28.96 348.36,28.96 348.36,29.56 348.51,29.71 348.91,29.71 349.81,28.81 349.81,28.36 350.06,28.11 350.96,28.11 350.96,29.16 350.71,29.41 350.26,29.41 349.46,30.21 348.56,30.21 348.36,30.41 348.36,30.96
Net-(JP4-A) on Top: 124.98,30.96 124.98,28.96 125.28,28.96 125.28,29.56 125.43,29.71 125.83,29.71 126.73,28.81 126.73,28.36 126.98,28.11 127.88,28.11 127.88,29.16 127.63,29.41 127.18,29.41 126.38,30.21 125.48,30.21 125.28,30.41 125.28,30.96
Net-(JP4-A) on Top: 124.98,90.08 124.98,88.08 125.28,88.08 125.28,88.68 125.43,88.83 125.83,88.83 126.73,87.93 126.73,87.48 126.98,87.23 127.88,87.23 127.88,88.28 127.63,88.53 127.18,88.53 126.38,89.33 125.48,89.33 125.28,89.53 125.28,90.08
Net-(JP4-A) on Top: 273.7,90.08 273.7,88.08 274,88.08 274,88.68 274.15,88.83 274.55,88.83 275.45,87.93 275.45,87.48 275.7,87.23 276.6,87.23 276.6,88.28 276.35,88.53 275.9,88.53 275.1,89.33 274.2,89.33 274,89.53 274,90.08
Net-(JP4-A) on Top: 50.62,90.08 50.62,88.08 50.92,88.08 50.92,88.68 51.07,88.83 51.47,88.83 52.37,87.93 52.37,87.48 52.62,87.23 53.52,87.23 53.52,88.28 53.27,88.53 52.82,88.53 52.02,89.33 51.12,89.33 50.92,89.53 50.92,90.08
Net-(U1-VREG_LX) on Top: 194.19,107.18 193.29,107.18 193.19,107.28 191.39,107.28 191.24,107.43 191.24,107.88 191.04,108.08 189.44,108.08 189.44,107.53 190.79,107.53 191.29,107.08 193.09,107.08 193.19,106.98 194.19,106.98
Net-(U1-VREG_LX) on Top: 342.91,107.18 342.01,107.18 341.91,107.28 340.11,107.28 339.96,107.43 339.96,107.88 339.76,108.08 338.16,108.08 338.16,107.53 339.51,107.53 340.01,107.08 341.81,107.08 341.91,106.98 342.91,106.98
Net-(U1-VREG_LX) on Top: 45.47,107.18 44.57,107.18 44.47,107.28 42.67,107.28 42.52,107.43 42.52,107.88 42.32,108.08 40.72,108.08 40.72,107.53 42.07,107.53 42.57,107.08 44.37,107.08 44.47,106.98 45.47,106.98
Net-(U1-VREG_LX) on Top: 119.83,107.18 118.93,107.18 118.83,107.28 117.03,107.28 116.88,107.43 116.88,107.88 116.68,108.08 115.08,108.08 115.08,107.53 116.43,107.53 116.93,107.08 118.73,107.08 118.83,106.98 119.83,106.98
Net-(U1-VREG_LX) on Top: 45.47,48.06 44.57,48.06 44.47,48.16 42.67,48.16 42.52,48.31 42.52,48.76 42.32,48.96 40.72,48.96 40.72,48.41 42.07,48.41 42.57,47.96 44.37,47.96 44.47,47.86 45.47,47.86
Net-(U1-VREG_LX) on Top: 268.55,107.18 267.65,107.18 267.55,107.28 265.75,107.28 265.6,107.43 265.6,107.88 265.4,108.08 263.8,108.08 263.8,107.53 265.15,107.53 265.65,107.08 267.45,107.08 267.55,106.98 268.55,106.98
Net-(U1-VREG_LX) on Top: 342.91,48.06 342.01,48.06 341.91,48.16 340.11,48.16 339.96,48.31 339.96,48.76 339.76,48.96 338.16,48.96 338.16,48.41 339.51,48.41 340.01,47.96 341.81,47.96 341.91,47.86 342.91,47.86
Net-(U1-VREG_LX) on Top: 194.19,48.06 193.29,48.06 193.19,48.16 191.39,48.16 191.24,48.31 191.24,48.76 191.04,48.96 189.44,48.96 189.44,48.41 190.79,48.41 191.29,47.96 193.09,47.96 193.19,47.86 194.19,47.86
Net-(U1-VREG_LX) on Top: 119.83,48.06 118.93,48.06 118.83,48.16 117.03,48.16 116.88,48.31 116.88,48.76 116.68,48.96 115.08,48.96 115.08,48.41 116.43,48.41 116.93,47.96 118.73,47.96 118.83,47.86 119.83,47.86
Net-(U1-VREG_LX) on Top: 268.55,48.06 267.65,48.06 267.55,48.16 265.75,48.16 265.6,48.31 265.6,48.76 265.4,48.96 263.8,48.96 263.8,48.41 265.15,48.41 265.65,47.96 267.45,47.96 267.55,47.86 268.55,47.86
Net-(U5-NC) on Top: 34.42,83.36 34.42,85.43 34.82,85.43 34.82,83.72 34.92,83.58 35.82,83.58 35.97,83.73 39.77,83.73 40.27,83.23 43.77,83.23 43.77,81.38 38.52,81.38 36.67,83.23 34.52,83.23
Net-(U5-NC) on Top: 331.86,83.36 331.86,85.43 332.26,85.43 332.26,83.72 332.36,83.58 333.26,83.58 333.41,83.73 337.21,83.73 337.71,83.23 341.21,83.23 341.21,81.38 335.96,81.38 334.11,83.23 331.96,83.23
Net-(U5-NC) on Top: 34.42,24.24 34.42,26.31 34.82,26.31 34.82,24.6 34.92,24.46 35.82,24.46 35.97,24.61 39.77,24.61 40.27,24.11 43.77,24.11 43.77,22.26 38.52,22.26 36.67,24.11 34.52,24.11
Net-(U5-NC) on Top: 331.86,24.24 331.86,26.31 332.26,26.31 332.26,24.6 332.36,24.46 333.26,24.46 333.41,24.61 337.21,24.61 337.71,24.11 341.21,24.11 341.21,22.26 335.96,22.26 334.11,24.11 331.96,24.11
Net-(U5-NC) on Top: 257.5,24.24 257.5,26.31 257.9,26.31 257.9,24.6 258,24.46 258.9,24.46 259.05,24.61 262.85,24.61 263.35,24.11 266.85,24.11 266.85,22.26 261.6,22.26 259.75,24.11 257.6,24.11
Net-(U5-NC) on Top: 257.5,83.36 257.5,85.43 257.9,85.43 257.9,83.72 258,83.58 258.9,83.58 259.05,83.73 262.85,83.73 263.35,83.23 266.85,83.23 266.85,81.38 261.6,81.38 259.75,83.23 257.6,83.23
Net-(U5-NC) on Top: 108.78,83.36 108.78,85.43 109.18,85.43 109.18,83.72 109.28,83.58 110.18,83.58 110.33,83.73 114.13,83.73 114.63,83.23 118.13,83.23 118.13,81.38 112.88,81.38 111.03,83.23 108.88,83.23
Net-(U5-NC) on Top: 183.14,24.24 183.14,26.31 183.54,26.31 183.54,24.6 183.64,24.46 184.54,24.46 184.69,24.61 188.49,24.61 188.99,24.11 192.49,24.11 192.49,22.26 187.24,22.26 185.39,24.11 183.24,24.11
Net-(U5-NC) on Top: 108.78,24.24 108.78,26.31 109.18,26.31 109.18,24.6 109.28,24.46 110.18,24.46 110.33,24.61 114.13,24.61 114.63,24.11 118.13,24.11 118.13,22.26 112.88,22.26 111.03,24.11 108.88,24.11
Net-(U5-NC) on Top: 183.14,83.36 183.14,85.43 183.54,85.43 183.54,83.72 183.64,83.58 184.54,83.58 184.69,83.73 188.49,83.73 188.99,83.23 192.49,83.23 192.49,81.38 187.24,81.38 185.39,83.23 183.24,83.23

Small or netless copper shapes (teardrops, artwork), in the pictures only: 10 on Top

## Text on the board
Bottom: v10
User.Comments: V-SCORE | ROUTE OUT
F.Fab: Layers: 4 | Solder Mask: Red | Silkscreen Color: White | Thickness: 1.6mm | Finish: Lead-Free HASL | Controlled Impedance: JLC7628 | Material: TG155 | No Clean Process | Outer Copper Weight: 1oz | Inner Copper Weight: 0.5oz | Ordering Notes
F.Silkscreen: Panelized
